# Altium PCB Mataric.PcbDoc (continued)
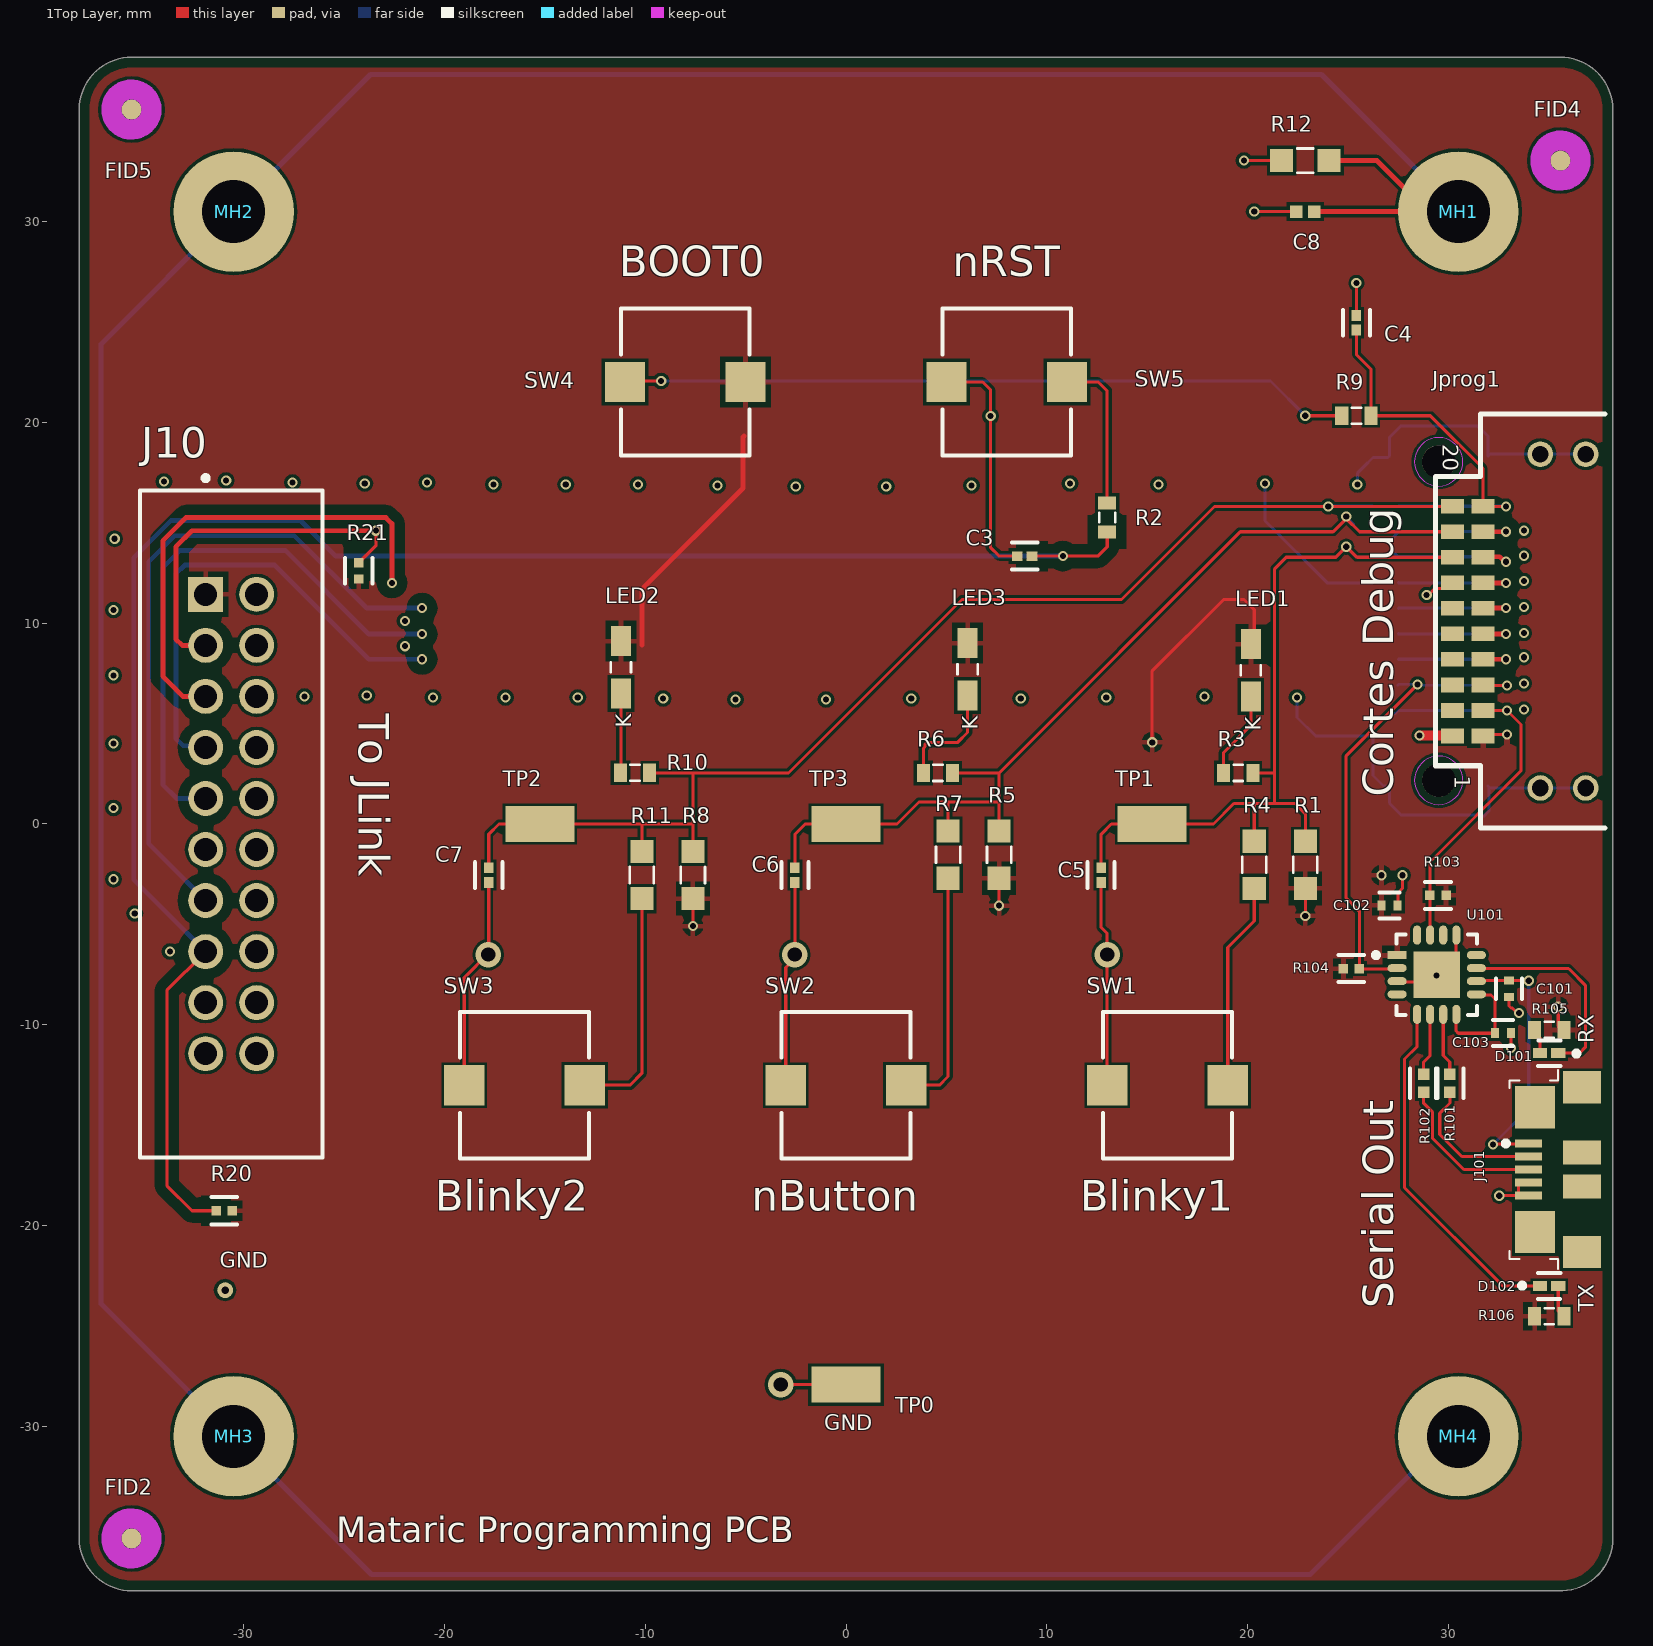
[diagram p0: 1Top Layer view]
## Components (designator, comment, footprint, x,y, rotation, side; value= is the part's Value field where it differs from the comment)
C3 "C1005X7R1H104K050BB" FP-C1005-050-0_05-IPC_C 8.89,13.335 r180 top
C4 "C1005X7R1H104K050BB" FP-C1005-050-0_05-IPC_C 25.4,24.95 r90 top
C5 "C1005X7R1H104K050BB" FP-C1005-050-0_05-IPC_C 12.7,-2.54 r270 top
C6 "C1005X7R1H104K050BB" FP-C1005-050-0_05-IPC_C -2.54,-2.54 r270 top
C7 "C1005X7R1H104K050BB" FP-C1005-050-0_05-IPC_C -17.78,-2.54 r270 top
C8 "__Template_Cap_Auto" C0402 22.86,30.48 r180 top value=0.1UF
C101 "GRM155R70J105KA12D" FP-GRM155-0_05-MFG 33,-8.2 r90 top
C102 "GRM155R70J105KA12D" FP-GRM155-0_05-MFG 27.05,-4.05 r180 top
C103 "GRM155R70J105KA12D" FP-GRM155-0_05-MFG 32.7,-10.4 r180 top
D101 "APHHS1005CGCK" FP-APHHS1005CGCK-MFG 35,-11.4 r180 top
D102 "APHHS1005CGCK" FP-APHHS1005CGCK-MFG 35,-23 r0 top
FID1 "FIDUCIAL" FIDUCIAL_1MM 35.56,33.02 r180 bottom
FID2 "FIDUCIAL" FIDUCIAL_1MM -35.56,-35.56 r90 top
FID3 "FIDUCIAL" FIDUCIAL_1MM -35.56,-35.56 r90 bottom
FID4 "FIDUCIAL" FIDUCIAL_1MM 35.56,33.02 r90 top
FID5 "FIDUCIAL" FIDUCIAL_1MM -35.56,35.56 r90 top
FID6 "FIDUCIAL" FIDUCIAL_1MM -35.56,35.56 r90 bottom
GND "TEST_VIA_NOSILK" TP_VIA_31pad_15drill_NS -30.9,-23.2 r90 top
J10 "70246-2004" FP-70246-2004-MFG -30.6,0 r270 top
J101 "ZX62R-B-5P(30)" HIRO-ZX62R-B-5P_V 35.3,-17.2 r90 top
Jprog1 "" SAMTEC_TFM-110-02-L-DH 34.3,10.1 r270 top
Jprog2 "M55-7102042R" CON_M55-7102042R 31.5,10.1 r270 bottom
LED1 "__Template_LED_RED_AK" LED_APA2106CGCK 20.15,7.65 r90 top value=APA2107LSECK/J3-PRV
LED2 "__Template_LED_YELLOW_AK" LED_APA2106CGCK -11.2,7.8 r90 top value=APA2107LSYCK/J3-PRV
LED3 "__Template_LED_BLUE_AK" LED_APA2106CGCK 6.05,7.7 r90 top value=XZCFBB74W-3VU
MH1 "MH" MH_1.6MM 30.48,30.48 r0 top
MH2 "MH" MH_1.6MM -30.48,30.48 r0 top
MH3 "MH" MH_1.6MM -30.48,-30.48 r0 top
MH4 "MH" MH_1.6MM 30.48,-30.48 r0 top
R1 "" R0805 22.86,-2.032 r270 top value=10K
R2 "" R0603 13,15.25 r90 top value=300
R3 "" R0603 19.521,2.54 r180 top value=300
R4 "" R0805 20.32,-2.032 r90 top value=22
R5 "" R0805 7.62,-1.524 r270 top value=10K
R6 "" R0603 4.572,2.54 r180 top value=300
R7 "" R0805 5.08,-1.524 r90 top value=22
R8 "" R0805 -7.62,-2.54 r270 top value=10K
R9 "" R0603 25.4,20.32 r180 top value=300
R10 "" R0603 -10.5,2.55 r180 top value=300
R11 "" R0805 -10.16,-2.54 r90 top value=22
R12 "" R0805 22.86,33.02 r0 top value=10K
R20 "ERJ-2RKF1003X" FP-ERJ2RK-IPC_C -30.95,-19.25 r0 top
R21 "ERJ-2RKF1003X" FP-ERJ2RK-IPC_C -24.25,12.598 r90 top
R101 "ERJ-2RKF27R0X" FP-ERJ2R-IPC_B 30.05,-12.9 r90 top
R102 "ERJ-2RKF27R0X" FP-ERJ2R-IPC_B 28.75,-12.9 r90 top
R103 "ERJ-2RKF1003X" FP-ERJ2RK-IPC_C 29.464,-3.556 r0 top
R104 "ERJ-2RKF1003X" FP-ERJ2RK-IPC_C 25.15,-7.2 r180 top
R105 "" R0603 35,-10.25 r180 top value=300
R106 "" R0603 35,-24.5 r0 top value=300
SW1 "B3AL-1003P" FP-B3AL-1003P-MFG 16,-13 r0 top
SW2 "B3AL-1003P" FP-B3AL-1003P-MFG 0,-13 r0 top
SW3 "B3AL-1003P" FP-B3AL-1003P-MFG -16,-13 r0 top
SW4 "B3AL-1003P" FP-B3AL-1003P-MFG -8,22 r0 top
SW5 "B3AL-1003P" FP-B3AL-1003P-MFG 8,22 r0 top
TP0 "KEYSTONE5015_NOSILK" KEYSTONE_5015_NS#1 -0.08,-27.9 r0 top
TP1 "KEYSTONE5015_NOSILK" KEYSTONE_5015_NS#2 15.24,0 r0 top
TP2 "KEYSTONE5015_NOSILK" KEYSTONE_5015_NS#2 -15.24,0 r0 top
TP3 "KEYSTONE5015_NOSILK" KEYSTONE_5015_NS#2 0,0 r0 top
U101 "FT230XQ-R" FP-QFN-16-MFG 29.4,-7.5 r0 top

## Footprints (in the part's own frame and the unit in brackets; to place one, negate y for a bottom-side part, rotate by r counter-clockwise, add the part's x,y. Pads: shape width x height; smd on the part's side, far side on the other; paste and mask are expansions set on the pad)
C0402 [mm] "Chip Capacitor, 2-Leads, Body 1.0x0.5mm, IPC High Density"
  rect 0.62x0.62 smd mask+0.05: 1(-0.45,0) 2(0.45,0)
  body extent -0.53,-0.28 0.53,0.28, height 0.55
CON_M55-7102042R [mm] "M55-7102042R  [HARWIN], CREATED BY DN_AV - 02DEC22;CHECKED BY DN_QN - 07DEC22,decreased keepout to support layout by DN_MN-30OCT23"
  rect 0.8x0.8 smd mask+0.064: 1(5.715,4) 2(5.715,5.27) 3(4.445,4) 4(4.445,5.27) 5(3.175,4) 6(3.175,5.27) 7(1.905,4) 8(1.905,5.27) 9(0.635,4) 10(0.635,5.27) 11(-0.635,4) 12(-0.635,5.27) 13(-1.905,4) 14(-1.905,5.27) 15(-3.175,4) 16(-3.175,5.27) 17(-4.445,4) 18(-4.445,5.27) 19(-5.715,4) 20(-5.715,5.27)
  rect 1.2x2.7 smd mask+0.064: MH1(-8.21,4.45) MH2(-8.21,-0.45) MH3(8.21,4.45) MH4(8.21,-0.45)
  round 1.651 hole 1.651 unplated mask+0: ""(-7.925,2) ""(7.925,2)
  Keep-Out Layer region: -7.925,0.794 -8.387,0.885 -8.778,1.147 -9.04,1.538 -9.132,2 -9.132,2 -9.04,2.462 -8.778,2.853 -8.387,3.115 -7.925,3.207 -7.925,3.207 -7.463,3.115 -7.072,2.853 -6.81,2.462 -6.719,2 -6.719,2 -6.81,1.538 -7.072,1.147 -7.463,0.885 -7.925,0.794
  Keep-Out Layer region: 7.925,0.794 7.463,0.885 7.072,1.147 6.81,1.538 6.719,2 6.719,2 6.81,2.462 7.072,2.853 7.463,3.115 7.925,3.207 7.925,3.207 8.387,3.115 8.778,2.853 9.04,2.462 9.132,2 9.132,2 9.04,1.538 8.778,1.147 8.387,0.885 7.925,0.794
  silkscreen extent -7.73,-4.4 9.6,4.4, body extent -8.89,-4.4 8.89,5.6, height 4.2
FIDUCIAL_1MM [mm] "FIDUCIAL 1MM COPPER CIRCLE 3MM MASK PULLBACK"
  round 1 smd paste-1 mask+0.05: 1(0,0)
  1Top Layer keep-out circle w1: c0,0 r1
  Top Solder keep-out region: 0,-1.38 -0.528,-1.275 -0.976,-0.976 -1.275,-0.528 -1.38,0 -1.38,0 -1.275,0.528 -0.976,0.976 -0.528,1.275 0,1.38 0,1.38 0.528,1.275 0.976,0.976 1.275,0.528 1.38,0 1.38,0 1.275,-0.528 0.976,-0.976 0.528,-1.275 0,-1.38
FP-70246-2004-MFG [mm]
  rect 1.74x1.74 hole 1.14 paste-2539.97 mask+0: 1(-11.43,-1.27)
  round 1.74 hole 1.14 paste-2539.97 mask+0: 2(-11.43,1.27) 3(-8.89,-1.27) 4(-8.89,1.27) 5(-6.35,-1.27) 6(-6.35,1.27) 7(-3.81,-1.27) 8(-3.81,1.27) 9(-1.27,-1.27) 10(-1.27,1.27) 11(1.27,-1.27) 12(1.27,1.27) 13(3.81,-1.27) 14(3.81,1.27) 15(6.35,-1.27) 16(6.35,1.27) 17(8.89,-1.27) 18(8.89,1.27) 19(11.43,-1.27) 20(11.43,1.27)
  silkscreen extent -17.34,-4.54 16.61,4.54, body extent -16.71,-4.64 16.71,4.64, height 0.25
FP-APHHS1005CGCK-MFG [mm]
  rect 0.7x0.5 smd paste+0 mask+0: 1(-0.45,0) 2(0.45,0)
  silkscreen extent -1.48,-0.63 0.55,0.65, body extent -0.9,-0.4 0.9,0.4, height 0.25
FP-B3AL-1003P-MFG [mm]
  rect 2x2 smd paste+0 mask+0: 1(-3,0) 2(3,0)
  silkscreen extent -3.2,-3.65 3.2,3.65, body extent -4.1,-3.75 4.1,3.75, height 0.25
FP-C1005-050-0_05-IPC_C [mm]
  rect 0.539x0.472 smd paste+0 mask+0: 1(-0.367,0) 2(0.367,0)
  silkscreen extent -0.64,-0.67 0.64,0.67, body extent -0.74,-0.38 0.74,0.38, height 0.25
FP-ERJ2R-IPC_B [mm]
  rect 0.568x0.572 smd paste+0 mask+0: 1(-0.452,0) 2(0.452,0)
  silkscreen extent -0.74,-0.69 0.74,0.69, body extent -0.89,-0.44 0.89,0.44, height 0.25
FP-ERJ2RK-IPC_C [mm]
  rect 0.468x0.472 smd paste+0 mask+0: 1(-0.402,0) 2(0.402,0)
  silkscreen extent -0.64,-0.67 0.64,0.67, body extent -0.74,-0.38 0.74,0.38, height 0.25
FP-GRM155-0_05-MFG [mm]
  rect 0.4x0.5 smd paste+0 mask+0: 1(-0.4,0) 2(0.4,0)
  silkscreen extent -0.5,-0.65 0.5,0.65, body extent -0.7,-0.38 0.7,0.38, height 0.25
FP-QFN-16-MFG [mm]
  rect 0.95x0.4 smd paste+0 mask+0: 1(-1.975,0.975)
  rrect100% 0.95x0.4 smd paste+0 mask+0: 2(-1.975,0.325) 3(-1.975,-0.325) 4(-1.975,-0.975) 9(1.975,-0.975) 10(1.975,-0.325) 11(1.975,0.325) 12(1.975,0.975)
  rrect100% 0.4x0.95 smd paste+0 mask+0: 5(-0.975,-1.975) 6(-0.325,-1.975) 7(0.325,-1.975) 8(0.975,-1.975) 13(0.975,1.975) 14(0.325,1.975) 15(-0.325,1.975) 16(-0.975,1.975)
  rect 2.3x2.3 smd paste+0 mask+0: 17(0,0)
  silkscreen extent -3.15,-2 2,2, body extent -2.55,-2.55 2.55,2.55, height 0.25
HIRO-ZX62R-B-5P_V [mm] "USB Micro-B R/A Connector"
  rect 0.4x1.35 smd: 1(1.3,1.338) 2(0.65,1.338) 3(0,1.338) 4(-0.65,1.338) 5(-1.3,1.338)
  rect 2.1x2 smd: 6(-3.1,1.012) 11(3.1,1.012)
  rect 1.6x1.9 smd: 7(-4.1,-1.338) 10(4.1,-1.338)
  rect 1.2x1.9 smd: 8(-0.85,-1.338) 9(0.85,-1.338)
  silkscreen extent -4.95,-0.13 4.95,2.58, body extent -4.4,-3.95 4.4,1.78, height 2.71
KEYSTONE_5015_NS#1 [mm] "Test Point Loop; 2.67 mm L X 1.02 mm W X 1.52 mm H body"
  rect 3.43x1.78 smd mask+0.051: 1(0.08,0)
  body extent -1.33,-0.51 1.33,0.51, height 1.52
KEYSTONE_5015_NS#2 [mm] "Test Point Loop; 2.67 mm L X 1.02 mm W X 1.52 mm H body"
  rect 3.43x1.78 smd mask+0.051: 1(0,0)
  body extent -1.33,-0.51 1.33,0.51, height 1.52
LED_APA2106CGCK [mm]
  rect 1.5x1 smd mask+0.05: A(1.3,0) K(-1.3,0)
  silkscreen extent -0.25,-0.5 0.25,0.5, body extent -1.05,-0.5 1.05,0.5, height 0.6
MH_1.6MM [mm]
  round 6 hole 3.15 mask+0.05: 1(0,0)
R0603 [mm] "Chip Resistor, 2-Leads, Body 1.6x0.8mm, IPC High Density"
  rect 0.65x0.9 smd mask+0.05: 1(-0.725,0) 2(0.725,0)
  silkscreen extent -0.23,-0.4 0.23,0.4, body extent -0.8,-0.4 0.8,0.4, height 0.45
R0805 [mm] "Chip Resistor, 2-Leads, Body 2.0x1.3mm, IPC High Density"
  rect 1.15x1.15 smd mask+0.05: 1(-1.175,0) 2(1.175,0)
  silkscreen extent -0.4,-0.6 0.4,0.6, body extent -1,-0.62 1,0.63, height 0.6
SAMTEC_TFM-110-02-L-DH [mil]
  rect 29x45 smd mask+1.97: 1(225,-101.91) 2(225,-161.91) 3(175,-101.91) 4(175,-161.91) 5(125,-101.91) 6(125,-161.91) 7(75,-101.91) 8(75,-161.91) 9(25,-101.91) 10(25,-161.91) 11(-25,-101.91) 12(-25,-161.91) 13(-75,-101.91) 14(-75,-161.91) 15(-125,-101.91) 16(-125,-161.91) 17(-175,-101.91) 18(-175,-161.91) 19(-225,-101.91) 20(-225,-161.91)
  round 50 hole 33 mask+3: MH1(327,99.09) MH2(327,10.09) MH3(-327,99.09) MH4(-327,10.09)
  silkscreen extent -406,-195 406,137, body extent -385,-177 386,177, height 238
TP_VIA_31pad_15drill_NS [mil]
  round 31 hole 15 mask+1.97: 1(0,0)

## Part data
C3 C4 C5 C6 C7: library part CMP-2000-05393-2, "Multilayer Ceramic Capacitors 100nF ±10% 50V X7R SMD 0402", Capacitance=100nF, Case Code (Imperial)=0402, Case Code (Metric)=1005, Dielectric=X7R, Dielectric Material=Ceramic, Max Operating Temperature=125°C, Min Operating Temperature=-55°C, Package Quantity=1, Tolerance=10%, Voltage=50V, Case/Package=0402, Construction=Flat, Depth=0.5mm, Height=0.5mm, Lead Free="Lead Free", Length=1mm, Mount="Surface Mount", Packaging="Tape and Reel", Radiation Hardening=No, REACH SVHC="No SVHC", Resistor Type=Ceramic, RoHS Compliant=Yes, Series=C, Termination=SMD/SMT, Thickness=0.022inch, Voltage Rating=50V, Voltage Rating (DC)=50V, Weight=2.3E-05oz, Width=0.02inch
C8: library part 951, "CAP, CER, X7R, 0.1uF, 50V, 10%, 0402, AUTO GRADE", Dielectric=X7R, Package=0402, Tolerance=10%, Voltage=50V, COMMON=150-00281-00, ComponentLink1Description=Datasheet, EES=150-04463-00, Gecko=150-00281-00, Height="0.56mm T", ID=951, LOON=150-00281-00, MFG=TDK, MFG P/N=CGA2B3X7R1H104K050BB, PROXY="Use ID #1723", Status=Released, XPN=150-00281-00
C101 C102 C103: library part CMP-2008-04587-2, "Chip Multilayer Ceramic Capacitors for General Purpose, 0402, 1.0uF, X7R, 15%, 10%, 6.3V", Capacitance=1uF, Case Code (Imperial)=0402, Case Code (Metric)=1005, Dielectric=X7R, Max Operating Temperature=125°C, Min Operating Temperature=-55°C, Package Quantity=10000, Tolerance=10%, Voltage Rating=6.3V, Case/Package=0402, Depth=0.5mm, Height=0.5mm, Lead Free="Lead Free", Length=1mm, Material=Ceramic, Mount="Surface Mount", Packaging="Tape and Reel", Termination=SMD/SMT, Thickness=0.022inch, Voltage Rating (DC)=6.3V, Weight=0.000212oz, Width=0.5mm
D101 D102: library part CMP-44529-000044-1, "LED GREEN CLEAR CHIP SMD", Case Code (Imperial)=0402, Case Code (Metric)=1005, Color=Green, Forward Current=20mA, Forward Voltage=2.1V, Lens Color=Clear, Max Operating Temperature=85°C, Min Operating Temperature=-40°C, Package Quantity=2000, Case/Package=0402, Dominant Wavelength=570nm, Height=0.6mm, Illumination Color=Green, Lead Free="Lead Free", Length=1mm, Lens Style=Clear, Luminous Intensity=50mcd, Mount="Surface Mount", Number of LEDs=1, Number of Pins=2, Packaging="Tape and Reel", Test Current=20mA, Viewing Angle=120°, Wavelength=570nm, Width=0.5mm
FID1 FID2 FID3 FID4 FID5 FID6: library part 93, "FIDUCIAL 1MM COPPER CIRCLE 3MM MASK PULLBACK", ID=93, MFG="_PCB Feature", Status="In Development"
GND: library part 171, "TEST VIA, NO SILKSCREEN, 15 MIL DRILL, 31 MIL PAD", Category="Testpoint vias", ID=171, MFG="_PCB Feature", Status=Released
J10: library part CMP-04776-000337-1, "CONN HEADER VERT 20POS 2.54MM", Current Rating=2.5A, Flammability Rating="UL94 V-0", Max Operating Temperature=120°C, Max Voltage Rating (DC)=250V, Min Operating Temperature=-55°C, Package Quantity=720, Contact Material=Gold, Contact Plating=Gold, ELV=Compliant, Gender=Male, Glow Wire Compliant=Non-compliant, Mount="Through Hole", Number of Circuits=20, Number of Contacts=20, Number of Positions=20, Number of Rows=2, Orientation=Vertical, Packaging=Tray, Pitch=2.54mm, Radiation Hardening=No, Series=70246, Termination=Solder, Voltage Rating=250V, Voltage Rating (DC)=250V
J101: library part CMP-0031-00001-1, "Connector; USBMicro-B,Reverse type, SMT; 5 Position; Right Angle", OPERATING TEMPERATURE="-30 to 85 degC", ComponentLink1Description="Manufacturer URL", ComponentLink1URL=http://www.hirose.com/â€Ž, ComponentLink2Description=Datasheet, ComponentLink2URL=http://www.hirose.co.jp/cataloge_hp/e24200011.pdf, DatasheetVersion=08/2010, Mounting Technology="Surface Mount", PackageDescription="5-Pin USB Micro-B R/A Connector", PackageReference=ZX62R-B-5P, PartNumber=ZX62R-B-5P(30)
Jprog1: library part 1204, "CONN, HDR, SHRD, RA, 2x10, 1.27MM P, 6.02MM h, GOLD, TH", Current Rating=2.9A, OPERATING TEMPERATURE="-55°C ~ 125°C", Supplier Part Number 1=SAM14687TR-ND, Voltage, Rated=275VAC, ComponentLink1Description=Datasheet, ComponentLink1URL=http://suddendocs.samtec.com/prints/tfm-1xx-xx-x-dh-xx-mkt.pdf, Connector Type=Header, EES=210-04980-00, Gender=Header, Height=6.02mm, HelpURL=https://www.digikey.com/en/products/detail/samtec-inc/TFM-110-02-L-DH-TR/6694026, ID=1204, MFG="Samtec Inc", MFG P/N=TFM-110-02-L-DH-TR, Mounting Type="Surface Mount", Number of Positions=20, Number of Rows=2, Orientation="Right Angle", Pitch=1.27mm, RoHS Compliant=Yes, Row Spacing=1.27mm, Status=Released, Sub Assy Qty 2=0, Sub Assy Qty 3=0, Sub Assy Qty 4=0, Supplier 1=Digi-Key
Jprog2: library part 1204, "CONN HEADER SMD R/A 20POS 1.27MM", Supplier Part Number 1=952-3893-1-ND, ComponentLink1URL=https://www.digikey.com/en/products/detail/harwin-inc/M55-7102042R/8537613?s=N4IgTCBcDaILIFYEFoDsBGADGTAWMASiALoC%2BQA, MFG="Harwin Inc.", MFG P/N=M55-7102042R, Status=Released, Supplier 1=Digi-Key
LED1: library part 280, "LED, RED, 640NM, INDEPENDENT, CLEAR, RA, SMD-2", Color / Wavelength=625nm, Package="2-SMD, No Lead", Supplier Part Number 1=754-2094-1-ND, Category=Diode, ComponentLink1Description=Datasheet, ComponentLink1URL=http://www.kingbrightusa.com/images/catalog/SPEC/APA2107LSECK-J3-PRV.pdf, Diode Type=LED, EES=370-00593-00, Height=0.7mm, HelpURL=https://www.digikey.com/product-detail/en/kingbright/APA2107LSECK-J3-PRV/754-2094-1-ND/7319022, ID=280, MFG=Kingbright, MFG P/N=APA2107LSECK/J3-PRV, Mounting Type=SMD, RoHS Compliant=Yes, Status=Released, Supplier 1=Digi-Key
LED2: library part 279, "LED, YELLOW, 590NM, CLEAR, RA, SMD-2", Color / Wavelength=590nm, Package="2-SMD, No Lead", Supplier Part Number 1=754-1922-1-ND, Voltage – Forward (VF) (MAX) @ IF=1.85V, Category=Diode, ComponentLink1Description=Datasheet, ComponentLink1URL=http://www.kingbrightusa.com/images/catalog/SPEC/APA2107LSYCK-J3-PRV.pdf, Diode Type=LED, EES=370-00592-00, Height=0.7mm, HelpURL=https://www.digikey.com/product-detail/en/kingbright/APA2107LSYCK-J3-PRV/754-1922-1-ND/5177452, ID=279, MFG=Kingbright, MFG P/N=APA2107LSYCK/J3-PRV, Mounting Type=SMD, RoHS Compliant=Yes, Status=Released, Supplier 1=Digi-Key
LED3: library part 281, "LED, BLUE, 465NM, INDEPENDENT, CLEAR, RA, SMD-2", Color / Wavelength=470nm, Package="2-SMD, No Lead", Supplier Part Number 1=1497-XZCFBB74W-3VUCT-ND, Category=Diode, ComponentLink1Description=Datasheet, ComponentLink1URL=https://www.sunledusa.com/products/spec/XZCFBB74W-3VU.pdf, Diode Type=LED, EES=370-00594-00, Height=0.7mm, HelpURL=https://www.digikey.com/product-detail/en/sunled/XZCFBB74W-3VU/1497-XZCFBB74W-3VUCT-ND/10449786, ID=281, MFG=SunLED, MFG P/N=XZCFBB74W-3VU, Mounting Type=SMD, RoHS Compliant=Yes, Status=Released, Supplier 1=Digi-Key
MH1 MH2 MH3 MH4: library part 144, "MOUNTING HOLE, M1.6, 4.0mm PAD", ID=144, Status=Released
R1 R5 R8 R12: library part 4154, "RES, 10K, 1%, 1/8W, 0805", Package=0805, Power=1/8W, Supplier Part Number 1=311-10.0KCRCT-ND, Tolerance=1%, COMMON=470-07506-00, EES=470-17984-00, Gecko=470-17702-00, Height=0.60mm, ID=4154, LOON=470-07506-00, MFG=YAGEO, MFG P/N=RC0805FR-0710KL, PROXY=470-16861-00, Status=Released, Supplier 1=Digi-Key, XPN=XS-10018162
R2 R3 R6 R9 R10 R105 R106: library part 2806, "Resistor, 300 Ohms, 0603, 0.1W, ±1%", Package=0603, Power=1/10W, Supplier Part Number 1=311-300HRCT-ND, Tolerance=1%, COMMON=470-06251-00, EES=470-17796-00, Gecko=470-06251-00, Height=0.55mm, ID=2806, LOON=470-06251-00, MFG=YAGEO, MFG P/N=RC0603FR-07300RL, Status=Released, Supplier 1=Digi-Key, XPN=XS-10017062
R4 R7 R11: library part 1785, "Resistor, 22.0 Ohms, 0805, 0.125W, ±1%", Package=0805, Power=1/8W, Supplier Part Number 1=311-22.0CRCT-ND, Tolerance=1%, COMMON=470-05283-00, EES=470-17982-00, Gecko=470-05283-00, Height=0.60mm, ID=1785, LOON=470-05283-00, MFG=YAGEO, MFG P/N=RC0805FR-0722RL, Status=Released, Supplier 1=Digi-Key, XPN=XS-10016192
R20 R21 R103 R104: library part CMP-2002-00608-4, "RES SMD 100K OHM 1% 1/10W 0402", Case Code (Imperial)=0402, Case Code (Metric)=1005, Max Operating Temperature=155°C, Max Power Dissipation=100mW, Min Operating Temperature=-55°C, Package Quantity=1, Resistance=100kR, Temperature Coefficient=100ppm/°C, Tolerance=1%, Voltage Rating=50V, Case/Package=0402, Composition="Thick Film", Contact Plating=Tin, Depth=0.5mm, Features="Automotive AEC-Q200", Height=0.35mm, Lead Free="Lead Free", Length=1mm, Military Standard=Not, Mount="Surface Mount", Number of Pins=2, Number of Terminations=2, Packaging="Tape and Reel", Power Rating=100mW, Radiation Hardening=No, REACH SVHC="No SVHC", Termination=SMD/SMT, Voltage Rating (DC)=50V, Width=0.5mm
R101 R102: library part CMP-2002-00830-2, "RES SMD 27 OHM 1% 1/10W 0402", Case Code (Imperial)=0402, Case Code (Metric)=1005, Max Operating Temperature=155°C, Max Power Dissipation=100mW, Min Operating Temperature=-55°C, Package Quantity=1, Resistance=27R, Resistance Tolerance=1%, Resistor Type="Thick Film", Temperature Coefficient=100ppm/°C, Voltage Rating=50V, Case/Package=0402, Construction=Rectangular, Contact Plating=Tin, Depth=0.5mm, Features="Automotive AEC-Q200", Height=0.35mm, Lead Free="Lead Free", Length=1mm, Military Standard=Not, Mount="Surface Mount", Number of Pins=2, Number of Terminations=2, Packaging="Tape and Reel", Power Rating=100mW, Radiation Hardening=No, REACH SVHC="No SVHC", RoHS Compliant=Yes, Series=ERJ, Technology="THICK FILM", Termination=SMD/SMT, Tolerance=1%, Voltage Rating (DC)=50V, Weight=2.8E-05oz, Width=0.5mm
SW1 SW2 SW3 SW4 SW5: library part CMP-08834-000018-1, "SWITCH TACTILE SPST-NO 0.05A 16V", Actuator Color=White, Contact Current Rating=50mA, Contact Resistance=100mR, Max Operating Temperature=90°C, Max Voltage Rating (DC)=16V, Min Operating Temperature=-40°C, Operating Force=3.5N, Package Quantity=1, Contact Plating=Silver, Current Rating=50mA, Depth=6.6mm, Electrical Life=1000000Cycles, Illumination Type=Non-Illuminated, Length=6.9mm, Max Current Rating=50mA, Mechanical Life=1000000Cycles, Mount="Surface Mount", Orientation=Straight, Packaging="Tape and Reel", Radiation Hardening=No, RoHS Compliant=Yes, Series=B3AL, Switch Function=Off-Mom, Switch Travel=1.3mm, Termination=SMD/SMT, Throw Configuration=SPST, Voltage Rating (DC)=16V, Weight=0.18g
TP0 TP1 TP2 TP3: library part 176, "HW, TEST POINT, NO SILKSCREEN, PC MINIATURE, 0.25mm T, 1.52mm HEIGHT, SILVER PLATING, SMT", Supplier Part Number 1=36-5015CT-ND, Category="Test and Measurement", COMMON=250-00207-00, ComponentLink1Description=Datasheet, ComponentLink1URL=http://keyelco.com/userAssets/file/M65p55.pdf, EES=250-08552-00, EPIC=250-08204-00, Gecko=250-00207-00, Height=1.65mm, HelpURL=https://www.digikey.com/product-detail/en/keystone-electronics/5015/36-5015CT-ND/278886, ID=176, KOI=250-07313-00, LOON=250-00207-00, MFG="Keystone Electronics Corp.", MFG P/N=5015, Mounting Type=SMD, PROXY=250-04113-00, Status="In Development", Supplier 1=Digi-Key, XPN=XS-10008125
U101: library part CMP-0248-00010-3, "IC USB SERIAL BASIC UART 16QFN", Case/Package=QFN, Max Operating Temperature=85°C, Max Supply Voltage=5.5V, Min Operating Temperature=-40°C, Min Supply Voltage=2.97V, Operating Supply Current=8mA, Operating Supply Voltage=5V, Package Quantity=5000, Data Rate=12Mbps, Height=0.75mm, Interface=USB, Lead Free="Lead Free", Length=4mm, Mount="Surface Mount", Number of Channels=1, Number of Pins=16, Packaging="Tape and Reel", Weight=0.002014oz, Width=4mm

## Via types
v1: diameter 0.508, hole 0.305, 1Top Layer to 4Bottom Layer, 88 vias
v2: diameter 1.27, hole 0.711, 1Top Layer to 4Bottom Layer, 4 vias

## Nets (pads, with @x,y where several pads share a name; then routed paths per layer and width w, separated by ;. In a path a pad name is that pad's centre, name@x,y a point inside that pad or via, vN(x,y) a via of type N, cw(c..) or ccw(c..) an arc to the next point about the centre after c; other vN are vias at no path point)
3v3: C102.2 J10.1 Jprog1.1 Jprog2.1 LED1.A LED2.A LED3.A R1.2 R5.2 R8.2 R20.2 R21.1 R103.2 R104.2 R105.1 R106.1 SW4.2 U101.1 | length 31.4
  1Top Layer w0.152: v1(-7.62,-5.08) R8.2 ; v1(7.62,-4.064) R5.2 ; v1(15.24,4.064) 15.24,7.62 18.796,11.176 19.812,11.176 20.32,10.668 LED1.A@20.32,8.92 ; v1(22.86,-4.572) R1.2 ; Jprog1.1@31.711,4.445 31.716,4.45 v1(32.9,4.45) ; v1(35.45,-9.1) 35.45,-10.061 35.539,-10.15 R105.1@35.975,-10.15
  1Top Layer w0.254: -10.16,8.92 -10.16,11.684 -5.12,16.724 -5.12,19.264 -5.08,19.304
  other v1: 26.65,-2.55
+5: C101.2 J101.1 U101.10 | length 13.3
  1Top Layer w0.152: U101.10 31.4,-7.8 v1(33.983,-7.8) ; v1(32.2,-15.95) 32.225,-15.925 33.937,-15.925 J101.1
  4Bottom Layer w0.152: v1(32.2,-15.95) 33.983,-14.167 v1(33.983,-7.8)
Blinky1: C5.1 Jprog1.16 Jprog2.16 R1.1 R3.1 R4.2 TP1.1 | length 39.7
  1Top Layer w0.152: C5.1@12.7,-2.09 12.7,-0.508 13.208,0 TP1.1 18.288,0 19.304,1.016 20.32,1.016 ; R3.1 21.336,2.54 ; R4.2 20.32,1.016 ; R1.1 22.86,0.508 22.352,1.016 21.336,1.016 ; Jprog1.16 25.425,13.275 v1(24.9,13.8) 24.375,13.275 21.911,13.275 21.336,12.7 21.336,2.54 ; 20.32,1.016 21.336,1.016 ; 21.336,1.016 21.336,2.54
  4Bottom Layer w0.152: v1(24.9,13.8) 25.425,13.275 Jprog2.16
Blinky2: C7.1 Jprog1.20 Jprog2.20 R8.1 R10.1 R11.2 TP2.1 | length 64.6
  1Top Layer w0.152: C7.1@-17.78,-2.09 -17.78,-0.508 -17.272,0 TP2.1 -10.16,0 ; R11.2 -10.16,0 ; -9.435,2.54 -7.62,2.54 ; R8.1 -7.62,0 ; Jprog1.20@30.203,15.8 v1(24,15.8) 18.34,15.8 13.716,11.176 5.776,11.176 -2.86,2.54 -7.62,2.54 ; -10.16,0 -7.62,0 ; -7.62,0 -7.62,2.54
  4Bottom Layer w0.152: v1(24,15.8) 24.015,15.815 Jprog2.20
BOOT0: C4.1 Jprog1.19 Jprog2.19 R9.1 | length 19.5
  1Top Layer w0.152: C4.1@25.4,24.5 25.4,23.368 26.125,22.643 R9.1 29.083,20.32 31.7,17.703 31.7,15.823 31.723,15.8 v1(32.85,15.8)
  4Bottom Layer w0.152: Jprog2.19 32.835,15.815 v1(32.85,15.8)
C_JTRST: J10.3 Jprog1.17 Jprog2.17 R21.2 | length 81.6
  1Top Layer w0.157: R21.2 -24.248,13 -23.4,13.848 v1@-23.4,14.55
  1Top Layer w0.239: J10.3 -33.04,8.89 -33.35,9.2 -33.35,13.8 -32.55,14.6 v1(-23.4,14.6) ; Jprog1.17 31.716,14.55 v1(32.85,14.55)
  3Mixed w0.239: v1@-23.375,14.575 v1@32.825,14.575
  4Bottom Layer w0.157: v1(-23.4,14.6) v1@-23.375,14.575 ; Jprog2.17@27.205,14.25 Jprog2.17 ; Jprog2.17@27.5,14.55 v1(32.85,14.55) v1@32.825,14.575
C_nRST: C3.1 J10.15 Jprog1.15 Jprog2.15 R2.1 R20.1 | length 118
  1Top Layer w0.157: J10.15@-31.8,-6.4 -31.92,-6.4 -33.8,-8.28 -33.8,-18 -32.55,-19.25 R20.1 ; C3.1@9.34,13.335 v1(10.795,13.335) 12.535,13.335 13,13.8 R2.1
  1Top Layer w0.239: Jprog1.15@31.746,13.3 32.537,13.3 32.787,13.05 v1(32.85,13.05)
  3Mixed w0.239: v1(10.795,13.335) 11.08,13.05 v1(32.85,13.05)
  4Bottom Layer w0.157: Jprog2.15@27.275,13.5 Jprog2.15 ; Jprog2.15@27.5,13.3 32.505,13.3 32.755,13.05 v1(32.85,13.05)
  4Bottom Layer w0.239: J10.15 -35.45,-2.77 -35.45,13.25 -33.6,15.1 -27.165,15.1 ; -27.15,15.1 -25.385,13.335 v1(10.795,13.335) v1@10.813,13.317
C_TCK-SWCLK: J10.9 Jprog1.9 Jprog2.9 | length 88.6
  1Top Layer w0.239: Jprog1.9@31.726,9.45 v1(32.85,9.45)
  3Mixed w0.239: v1(-21.1,9.45) v1(32.85,9.45)
  4Bottom Layer w0.157: Jprog2.9 27.515,9.45 v1(32.85,9.45)
  4Bottom Layer w0.239: J10.9 -33.32,1.27 -34,1.95 -34,12.75 -33.135,13.615 -27.915,13.615 -23.75,9.45 v1@-21.15,9.45
C_TDI: J10.5 Jprog1.13 Jprog2.13 | length 86.2
  1Top Layer w0.239: J10.5 -33,6.35 -34,7.35 -34,14.1 -32.85,15.25 -22.9,15.25 -22.6,14.95 v1(-22.6,12) ; Jprog1.13@31.711,12.065 31.776,12 v1(32.85,12)
  3Mixed w0.239: v1(-22.6,12) v1(32.85,12)
  4Bottom Layer w0.157: Jprog2.13 27.505,12 v1(32.85,12)
C_TDO-SWO: J10.13 Jprog1.11 Jprog2.11 | length 94.1
  1Top Layer w0.239: Jprog1.11@31.711,10.795 31.756,10.75 v1(32.85,10.75)
  3Mixed w0.239: v1(-21.1,10.75) v1(32.85,10.75)
  4Bottom Layer w0.157: Jprog2.11 27.515,10.75 v1(32.85,10.75)
  4Bottom Layer w0.239: J10.13 -34.7,-0.98 -34.7,13.05 -33.4,14.35 -27.45,14.35 -23.85,10.75 v1(-21.1,10.75)
C_TMS-SWDIO: J10.7 Jprog1.7 Jprog2.7 | length 84.7
  1Top Layer w0.239: Jprog1.7@31.716,8.2 v1(32.85,8.2)
  3Mixed w0.239: v1(-21.1,8.2) v1(32.85,8.2)
  4Bottom Layer w0.157: J10.7@-31.954,3.894 J10.7 ; Jprog2.7 27.505,8.2 v1(32.85,8.2)
  4Bottom Layer w0.239: J10.7@-31.954,3.894 -32.994,3.894 -33.35,4.25 -33.35,12.45 -32.913,12.887 -28.437,12.887 -23.75,8.2 v1(-21.1,8.2)
C_VCP_RX: Jprog1.3 Jprog2.3 R103.1 U101.15 | length 20.2
  1Top Layer w0.152: U101.15@29.069,-5.559 29.069,-3.563 R103.1 29.062,-1.888 33.6,2.65 33.6,4.95 v1(32.9,5.65) 31.776,5.65 Jprog1.3@31.711,5.715
  4Bottom Layer w0.127: Jprog2.3@27.345,5.5 Jprog2.3 ; Jprog2.3@27.5,5.65 31.343,5.65
  4Bottom Layer w0.152: 31.343,5.65 v1(32.9,5.65)
C_VCP_TX: Jprog1.5 Jprog2.5 R104.1 U101.2 | length 24.5
  1Top Layer w0.152: U101.2@27.419,-7.209 25.55,-7.209 25.55,-4.341 24.892,-3.683 24.892,3.392 v1(28.45,6.95) ; Jprog1.5@31.711,6.985 31.796,6.9 v1(32.9,6.9)
  4Bottom Layer w0.127: Jprog2.5@27.45,6.9 27.5,6.95 v1(28.45,6.95) ; v1@28.45,6.9 31.493,6.9
  4Bottom Layer w0.152: 31.493,6.9 v1(32.9,6.9)
GND: C3.2 C4.2 C5.2 C6.2 C7.2 C8.2 C101.1 C102.1 C103.1 GND.1 J10.4 J10.6 J10.8 J10.10 J10.12 J10.14 J10.16 J10.18 J10.20 J101.4 J101.5 Jprog1.2 Jprog1.14 Jprog1.MH1 Jprog1.MH2 Jprog1.MH3 Jprog1.MH4 Jprog2.2 Jprog2.14 Jprog2.MH1 Jprog2.MH2 Jprog2.MH3 Jprog2.MH4 R12.1 SW1.1 SW2.1 SW3.1 SW5.1 TP0.1 U101.3 U101.13 U101.17 | length 115.9
  1Top Layer w0.152: SW3.1 -19,-7.65 v2@-17.8,-6.45 ; v2@-17.78,-6.45 C7.2@-17.78,-2.99 ; v2(-3.25,-27.9) -0.1,-27.9 TP0.1@-0.05,-27.95 ; SW2.1 -3,-7.145 -2.55,-6.695 v2(-2.55,-6.5) ; v2@-2.54,-6.45 C6.2@-2.54,-2.99 ; SW5.1 6.8,22 7.2,21.6 v1(7.2,20.3) 7.2,13.755 7.62,13.335 C3.2@8.44,13.335 ; C5.2 12.7,-5.15 13,-5.45 SW1.1 ; v1(19.812,33.02) R12.1 ; v1(20.32,30.48) C8.2 ; C4.2@25.4,25.4 v1(25.4,26.924) ; U101.3@27.419,-7.859 29.069,-7.859 v1(29.394,-7.534) 30.369,-6.559 U101.13@30.369,-5.559 ; C102.1@27.471,-3.938 27.471,-3.432 27.7,-3.203 v1(27.7,-2.55) ; v1(28.9,11.4) 28.993,11.4 29.306,11.713 29.895,11.713 Jprog1.14 ; v1(32.514,-18.5) J101.5@33.738,-18.5 ; C101.1 33,-9.054 33.108,-9.162 33.166,-9.162 33.404,-9.4 v1(33.5,-9.4) v1@33.568,-9.332 ; C103.1@33.083,-10.458 33.1,-10.475 v1(33.1,-11.15) ; J101.5 J101.5@33.738,-18.5 ; J101.4 33.6,-17.85 33.476,-17.974 33.476,-18.376 33.6,-18.5 J101.5@33.738,-18.5
  1Top Layer w0.5: v1(28.55,4.4) Jprog1.2@30.004,4.4
  3Mixed w0.127: -19.2,4.1 -17.73,5.57 -17.624,5.57 -17.55,5.496 -17.55,0.4 -17.6,0.35
  4Bottom Layer w0.152: v1(20.85,16.95) 20.85,15.1 23.945,12.005 Jprog2.14 ; v1(22.45,6.3) 22.45,5.3 23.365,4.385 Jprog2.2 26.23,2.414 26.754,1.89 Jprog2.MH3 27.05,1.036 27.636,0.45 31.5,0.45 31.587,0.363 31.71,0.363 32,0.653 32,1.84 Jprog2.MH4 32.046,1.794 Jprog1.MH1 ; v1(25.45,16.9) 25.45,17.45 25.776,17.776 25.776,17.786 26.229,18.239 26.979,18.239 Jprog2.MH1 27.05,19.25 27.6,19.8 31.45,19.8 31.95,19.3 Jprog2.MH2 32.046,18.406 Jprog1.MH3
  other v1: -33.65,-6.35 -35.4,-4.45 -36.45,-2.75 -36.45,0.8 -36.45,4 33.75,5.7 -5.5,6.2 -1,6.2 -9.1,6.25 3.25,6.25 8.7,6.25 -20.55,6.3 -16.95,6.3 -13.35,6.3 12.95,6.3 -26.95,6.35 17.85,6.35 -23.85,6.4 33.75,7 -36.45,7.4 33.75,8.3 -21.95,8.85 33.75,9.5 -21.95,10.1 -36.45,10.65 33.75,10.8 33.75,12.1 33.75,13.35 -36.4,14.2 33.75,14.6 -2.5,16.8 2,16.8 -6.4,16.85 6.25,16.85 -17.55,16.9 -13.95,16.9 -10.35,16.9 15.55,16.9 -23.95,16.95 11.15,16.95 -27.55,17 -20.85,17 -33.95,17.05 -30.85,17.1
  other v2: -17.8,-6.5 13,-6.5
nButton: C6.1 Jprog1.18 Jprog2.18 R5.1 R6.1 R7.2 TP3.1 | length 48.9
  1Top Layer w0.152: C6.1@-2.54,-2.09 -2.54,-0.508 -2.032,0 TP3.1 2.54,0 3.635,1.095 5.08,1.095 ; R7.2 5.08,1.095 ; R6.1 7.62,2.54 ; R5.1 7.62,1.095 ; v1(24.9,15.3) v1@24.9,15.2 ; Jprog1.18 25.555,14.545 v1@24.9,15.2 ; 5.08,1.095 7.62,1.095 ; 7.62,1.095 7.62,2.54 ; 7.62,2.54 19.625,14.545 24.245,14.545 v1@24.9,15.2
  4Bottom Layer w0.152: v1(24.9,15.3) 24.9,15.272 25.245,14.927 25.245,14.855 25.555,14.545 Jprog2.18
NetC8_1: C8.1 MH1.1 MH2.1 MH3.1 MH4.1 R12.2 | length 213.9
  1Top Layer w0.254: C8.1 MH1.1@28.956,30.48 ; R12.2 26.416,33.02 MH1.1@28.956,30.48 ; MH1.1@30.48,30.988 29.972,30.48 MH1.1@28.956,30.48
  4Bottom Layer w0.254: MH3.1@-32.004,-29.972 -30.988,-29.972 MH3.1 -23.61,-37.35 23.102,-37.35 29.972,-30.48 MH4.1 ; MH3.1@-30.988,-29.464 -31.496,-29.464 -37.084,-23.876 -37.084,23.876 MH2.1 -23.66,37.3 23.66,37.3 MH1.1
NetC103_2: C103.2 U101.8 U101.9 | length 5.3
  1Top Layer w0.152: U101.8@30.369,-9.509 30.369,-10.303 30.48,-10.414 C103.2@32.112,-10.414 ; U101.9@31.369,-8.509 32.102,-8.509 32.3,-8.707 C103.2
NetD101_1: D101.1 U101.11 | length 10.3
  1Top Layer w0.152: U101.11 31.39,-7.19 35.962,-7.19 36.007,-7.235 36.8,-8.028 36.8,-11.117 36.517,-11.4 D101.1@35.47,-11.4
NetD101_2: D101.2 R105.2 | length 1.3
  1Top Layer w0.152: R105.2 34.275,-10.375 34.55,-10.65 D101.2
NetD102_1: D102.1 U101.5 | length 17.8
  1Top Layer w0.152: U101.5 28.425,-11.075 27.8,-11.7 27.8,-18.1 32.687,-22.987 D102.1@34.729,-22.987
NetD102_2: D102.2 R106.2 | length 1.6
  1Top Layer w0.152: D102.2 35.45,-24.225 R106.2
NetJ101_2: J101.2 R101.1 | length 7.1
  1Top Layer w0.152: R101.1@30.061,-13.441 30.061,-13.889 29.55,-14.4 29.55,-15.45 30.65,-16.55 J101.2
NetJ101_3: J101.3 R102.1 | length 7.9
  1Top Layer w0.152: R102.1 28.75,-13.9 29.2,-14.35 29.2,-15.65 30.75,-17.2 J101.3
NetLED1_K: LED1.K R3.2 | length 4.4
  1Top Layer w0.152: R3.2 18.796,3.556 20.15,4.91 LED1.K
NetLED2_K: LED2.K R10.2 | length 3.9
  1Top Layer w0.152: LED2.K@-11.2,6.354 -11.2,2.672 R10.2@-11.06,2.532
NetLED3_K: LED3.K R6.2 | length 5.7
  1Top Layer w0.152: R6.2 3.847,3.761 3.936,3.85 3.936,3.975 4.026,4.064 5.564,4.064 6.05,4.55 LED3.K
NetR2_2: R2.2 SW5.2 | length 7.8
  1Top Layer w0.152: SW5.2 12.55,22 13,21.55 R2.2
NetR4_1: R4.1 SW1.2 | length 10.3
  1Top Layer w0.152: SW1.2 19,-6.15 20.32,-4.83 R4.1
NetR7_1: R7.1 SW2.2 | length 12.1
  1Top Layer w0.152: SW2.2 4.65,-13 5.08,-12.57 R7.1
NetR9_2: R9.2 SW4.1 | length 36.8
  1Top Layer w0.152: SW4.1@-10.7,22.3 SW4.1 -10.95,22.05 v1(-9.2,22.05) ; v1(22.86,20.32) R9.2
  4Bottom Layer w0.152: v1(-9.2,22.05) 21.13,22.05 v1(22.86,20.32)
NetR11_1: R11.1 SW3.2 | length 11.8
  1Top Layer w0.152: SW3.2 -10.75,-13 -10.16,-12.41 R11.1
NetR101_2: R101.2 U101.7 | length 3.1
  1Top Layer w0.152: U101.7 29.725,-11.525 30.05,-11.85 R101.2
NetR102_2: R102.2 U101.6 | length 3.1
  1Top Layer w0.152: R102.2 28.75,-11.85 29.075,-11.525 U101.6
pads on no net: FID1.1 FID2.1 FID3.1 FID4.1 FID5.1 FID6.1 J10.2 J10.11 J10.17 J10.19 J101.6 J101.7 J101.8 J101.9 J101.10 J101.11 Jprog1.4 Jprog1.6 Jprog1.8 Jprog1.10 Jprog1.12 Jprog2. Jprog2.4 Jprog2.6 Jprog2.8 Jprog2.10 Jprog2.12 U101.4 U101.12 U101.14 U101.16

## Polygon pours and split planes (outlines as drawn)
GND on 2Mixed "GND_L02_P000" (solid, pour order 0): -40.64,-40.64 40.64,-40.64 40.64,40.64 -40.64,40.64
GND on 3Mixed "GND_L03_P001" (solid, pour order 1): -40.64,-40.64 40.64,-40.64 40.64,40.64 -40.64,40.64
3v3 on 4Bottom Layer "3V3_L04_P003" (solid, remove dead copper, pour order 3): -40.64,-40.64 40.64,-40.64 40.64,40.64 -40.64,40.64
3v3 on 1Top Layer "3V3_L01_P002" (solid, remove dead copper, pour order 2): -40.64,-40.64 40.64,-40.64 40.64,40.64 -40.64,40.64

## Silkscreen, mask and mechanical layers (free items; w line width, h text height)
Top Overlay:
  text "BOOT0" at -11.296,27.254 h1.5
  text "nRST" at 5.304,27.254 h1.5
  text "To JLink" at -24.246,5.496 h1.52 r270
  text "Cortes Debug" at 27.238,1.354 h1.52 r90
  text "RX" at 37.222,-10.922 h0.76 r90
  text "Blinky2" at -20.446,-19.246 h1.5
  text "nButton" at -4.696,-19.246 h1.5
  text "Blinky1" at 11.654,-19.246 h1.5
  text "Serial Out" at 27.246,-24.096 h1.52 r90
  text "TX" at 37.222,-24.272 h0.76 r90
  text "GND" at -1.072,-30.172 h0.76
  text "Mataric Programming PCB" at -25.372,-35.749 h1.27
Bottom Overlay:
  lines w0.127: -20.32,5.08 10.16,5.08
  lines w0.178: -20.32,5.08 10.16,5.08 ; -20.32,5.08 10.16,17.78 ; -20.32,5.08 -20.32,17.78 ; -20.32,17.78 10.16,5.08 ; -20.32,17.78 10.16,17.78 ; 10.16,5.08 10.16,17.78
  text "Holberton Debug" at 24.688,21.096 h1.52 r90
(M3) Board Outline:
  lines w0.127: -38.1,-35.56 ccw(c-35.56,-35.56) -35.56,-38.1 35.64,-38.1 ; -38.1,-35.54 -38.1,35.56 cw(c-35.56,35.56) -35.56,38.1 35.54,38.101 ; 35.56,-38.1 ccw(c35.56,-35.56) 38.1,-35.56 38.1,35.49 ; 35.56,38.1 cw(c35.56,35.56) 38.1,35.56
(M4) FAB Notes:
  drawing of 300 lines, arcs and shapes, not listed
  text "Part extends to edge of PCB. No mousebites here." at 48.184,1.448 h0.76
  text "1. FABRICATE TO MEET IPC-2221, IPC-6011, AND IPC-6012 (LATEST REVISIONS) CLASS 2, EXCEPT WHERE OTHERWISE SPECIFIED. /  / 2B. IMPEDANCE OF TRACES CONTROLLED BY WIDTHS: 9.4MIL, 50 OHM MICROSTRIP SINGLE ENDED. /  / 3A. MATERIAL: COPPER CLAD LAMINATE AND PREPREG PER IPC-4101/126, IPC-4101/130, OR IPC-4101/131 (LATEST REVISION). 370HR MEETS THIS REQUIREMENT. PCB LAMINATE SHALL BE ROHS AND REACH COMPLIANT. /  / 4. COPPER WEIGHT: COPPER LAYERS SHALL MATCH STACKUP TABLE WITH COPPER THICKNESS PER IPC-4562 (LATEST REVISION). /  / 5. FINAL BOARD THICKNESS SHALL BE ±10% OF STACKUP TABLE, INCLUDING OUTER COPPER LAYERS. /  / 6A. THIEVING PATTERN SHALL NOT BE ADDED TO THE PCB UNLESS SPECIFICALLY APPROVED IN WRITING. /  / 7. ALL DIMENSIONS, INCLUDING HOLE SIZE DIMENSIONS, APPLY AFTER PLATING. /  / 8. FINAL CONDUCTOR WIDTH SHALL BE ±20% OF DATA. /  / 9. LAYER TO LAYER REGISTRATION SHALL BE WITHIN 0.15MM (0.005 IN) OF DATA. /  / 10. ALL HOLES SHALL BE LOCATED WITHIN ±0.003 INCHES OF SPECIFIED COORDINATES. /  / 11. PLATING SHALL BE ENIG PER IPC-4552 (LATEST REVISION). /  / 12. SOLDER MASK BOTH SIDES PER IPC-SM-840 (LATEST REVISION), CLASS T OR FT, COLOR GREEN. /  / 13. BOARDS SHALL BE ELECTRICALLY TESTED USING SUPPLIED IPC-D-356 NETLIST. /  / 14. SUPPLIER SHALL MARK STACKUP AND DATE CODE, SUPPLIER NAME AND/OR TRADEMARK, AND UL FLAMMABILITY RATING IN NON-CONDUCTIVE INDELIBLE INK (COLOR WHITE OR BLACK). SUPPLIER SHALL NOT ADD ANY TEXT OR MARKING IN COPPER. /  / 15. SILKSCREEN OVER SOLDER MASK SHALL BE COLOR WHITE. /  / 16. THE MATERIALS AND PROCESS USED TO FABRICATE THIS PART ARE TO BE CONSISTENT WITH THE DIRECTIVE 2011/65/EU RESTRICTION OF HAZARDOUS SUBSTANCES IN ELECTRICAL AND ELECTRONIC EQUIPMENT (ROHS).   THE FINISHED PART TO BE ACCOMPANIED BY A SIGNED CERTIFICATE OF COMPLIANCE TO DIRECTIVE 2011/65/EU. /  / 17 IF ANY REACH SVHC’S ARE UTILIZED IN THE MATERIALS AND/OR PROCESS USED TO FABRICATE THIS PART, THE WEIGHT OF THE SVHC’S MUST BE PROVIDED. /  / 18 A CONFLICT MINERALS REPORTING TEMPLATE (CMRT) MUST BE AVAILABLE UPON REQUEST AT A PART LEVEL FOR ALL SUPPLIED PARTS. /  / 19 HOMOGENEOUS SUBSTANCE INFORMATION TO ACCOMPANY THE FABRICATED PART PER IPC-1752 (LATEST REV) DATA STANDARDS." at 81.28,-10.16 h2.03
  text "Layer" at 105.217,-17.48 h0.76
  text "Name" at 110.423,-17.48 h0.76
  text "Material" at 122.231,-17.48 h0.76
  text "Thickness" at 133.15,-17.48 h0.76
  text "Constant" at 141.403,-17.48 h0.76
  text "Board Layer Stack" at 148.64,-17.48 h0.76
  text "Top Overlay" at 110.423,-19.004 h0.76
  text "Top Solder" at 110.423,-20.528 h0.76
  text "Solder Resist" at 122.231,-20.528 h0.76
  text "0.80mil" at 133.15,-20.528 h0.76
  text "3.5" at 141.403,-20.528 h0.76
  text "1" at 105.217,-22.052 h0.76
  text "1Top Layer" at 110.423,-22.052 h0.76
  text "1.35mil" at 133.15,-22.052 h0.76
  text "Prepreg1" at 110.423,-23.576 h0.76
  text "370HR" at 122.231,-23.576 h0.76
  text "4.71mil" at 133.15,-23.576 h0.76
  text "4.04" at 141.403,-23.576 h0.76
  text "2" at 105.217,-25.1 h0.76
  text "2Mixed" at 110.423,-25.1 h0.76
  text "1.35mil" at 133.15,-25.1 h0.76
  text "Core1" at 110.423,-26.624 h0.76
  text "370HR" at 122.231,-26.624 h0.76
  text "22.60mil" at 133.15,-26.624 h0.76
  text "4.04" at 141.403,-26.624 h0.76
  text "3" at 105.217,-28.148 h0.76
  text "3Mixed" at 110.423,-28.148 h0.76
  text "1.35mil" at 133.15,-28.148 h0.76
  text "Prepreg2" at 110.423,-29.672 h0.76
  text "370HR" at 122.231,-29.672 h0.76
  text "4.71mil" at 133.15,-29.672 h0.76
  text "4.04" at 141.403,-29.672 h0.76
  text "4" at 105.217,-31.196 h0.76
  text "4Bottom Layer" at 110.423,-31.196 h0.76
  text "1.35mil" at 133.15,-31.196 h0.76
  text "Bottom Solder" at 110.423,-32.72 h0.76
  text "Solder Resist" at 122.231,-32.72 h0.76
  text "0.80mil" at 133.15,-32.72 h0.76
  text "3.5" at 141.403,-32.72 h0.76
  text "Bottom Overlay" at 110.423,-34.244 h0.76
Drill Drawing:
  circle w0.127: c-40.344,68.273 r0.423
  lines w0.127: -41.526,59.658 41.154,59.658 ; -41.526,72.993 41.154,72.993 ; -34.53,57.753 -34.53,74.898 ; -27.039,57.753 -27.039,74.898 ; -12.565,57.753 -12.565,74.898 ; -6.141,57.753 -6.141,74.898 ; 3.179,57.753 3.179,74.898 ; 23.619,57.753 23.619,74.898 ; 31.11,57.753 31.11,74.898 ; -41.526,57.753 41.154,57.753 41.154,74.898 -41.526,74.898 -41.526,57.753 ; -40.767,60.23 -40.344,60.442 -39.92,60.23 -40.132,60.653 -39.92,61.077 -40.344,60.865 -40.767,61.077 -40.555,60.653 -40.767,60.23 ; -40.767,62.135 -40.767,62.347 -40.555,62.558 -40.767,62.77 -40.767,62.982 -40.555,62.982 -40.344,62.77 -40.132,62.982 -39.92,62.982 -39.92,62.77 -40.132,62.558 -39.92,62.347 -39.92,62.135 -40.132,62.135 -40.344,62.347 -40.555,62.135 -40.767,62.135 ; -40.767,64.887 -39.92,64.887 -40.344,64.04 -40.767,64.887 ; -40.767,66.157 -40.555,66.157 -40.555,65.945 -40.132,65.945 -40.132,66.157 -39.92,66.157 -39.92,66.58 -40.132,66.58 -40.132,66.792 -40.555,66.792 -40.555,66.58 -40.767,66.58 -40.767,66.157 ; -40.767,69.967 -40.555,69.967 -40.344,69.755 -40.132,69.967 -39.92,69.967 -40.132,70.178 -39.92,70.39 -40.132,70.39 -40.344,70.602 -40.555,70.39 -40.767,70.39 -40.555,70.178 -40.767,69.967 ; -40.767,71.66 -39.92,71.66 -39.92,72.507 -40.767,72.507 -40.767,71.66
  text "Symbol" at -40.383,73.565 h0.91
  text "Count" at -33.959,73.565 h0.91
  text "Hole Size" at -26.468,73.565 h0.91
  text "Plated" at -11.994,73.565 h0.91
  text "Hole Type" at -5.569,73.565 h0.91
  text "Drill Layer Pair" at 3.75,73.565 h0.91
  text "Via/Pad" at 24.191,73.565 h0.91
  text "Pad Shape" at 31.682,73.565 h0.91
  text "1" at -33.959,71.66 h0.76
  text "15.00mil (0.381mm)" at -26.468,71.66 h0.76
  text "PTH" at -11.994,71.66 h0.76
  text "Round" at -5.569,71.66 h0.76
  text "1Top Layer - 4Bottom Layer" at 3.75,71.66 h0.76
  text "Pad" at 24.191,71.66 h0.76
  text "Rounded" at 31.682,71.66 h0.76
  text "2" at -33.959,69.755 h0.76
  text "65.00mil (1.651mm)" at -26.468,69.755 h0.76
  text "NPTH" at -11.994,69.755 h0.76
  text "Round" at -5.569,69.755 h0.76
  text "1Top Layer - 4Bottom Layer" at 3.75,69.755 h0.76
  text "Pad" at 24.191,69.755 h0.76
  text "Rounded" at 31.682,69.755 h0.76
  text "4" at -33.959,67.85 h0.76
  text "28.00mil (0.711mm)" at -26.468,67.85 h0.76
  text "PTH" at -11.994,67.85 h0.76
  text "Round" at -5.569,67.85 h0.76
  text "1Top Layer - 4Bottom Layer" at 3.75,67.85 h0.76
  text "Via" at 24.191,67.85 h0.76
  text "Rounded" at 31.682,67.85 h0.76
  text "4" at -33.959,65.945 h0.76
  text "33.00mil (0.838mm)" at -26.468,65.945 h0.76
  text "PTH" at -11.994,65.945 h0.76
  text "Round" at -5.569,65.945 h0.76
  text "1Top Layer - 4Bottom Layer" at 3.75,65.945 h0.76
  text "Pad" at 24.191,65.945 h0.76
  text "Rounded" at 31.682,65.945 h0.76
  text "4" at -33.959,64.04 h0.76
  text "124.02mil (3.150mm)" at -26.468,64.04 h0.76
  text "PTH" at -11.994,64.04 h0.76
  text "Round" at -5.569,64.04 h0.76
  text "1Top Layer - 4Bottom Layer" at 3.75,64.04 h0.76
  text "Pad" at 24.191,64.04 h0.76
  text "Rounded" at 31.682,64.04 h0.76
  text "20" at -33.959,62.135 h0.76
  text "44.88mil (1.140mm)" at -26.468,62.135 h0.76
  text "PTH" at -11.994,62.135 h0.76
  text "Round" at -5.569,62.135 h0.76
  text "1Top Layer - 4Bottom Layer" at 3.75,62.135 h0.76
  text "Pad" at 24.191,62.135 h0.76
  text "(Mixed)" at 31.682,62.135 h0.76
  text "88" at -33.959,60.23 h0.76
  text "12.00mil (0.305mm)" at -26.468,60.23 h0.76
  text "PTH" at -11.994,60.23 h0.76
  text "Round" at -5.569,60.23 h0.76
  text "1Top Layer - 4Bottom Layer" at 3.75,60.23 h0.76
  text "Via" at 24.191,60.23 h0.76
  text "Rounded" at 31.682,60.23 h0.76
  text "123 Total" at -33.959,58.325 h0.76

## Dimensions
-35.56,-38.1 to -35.56,38.1 on (M3) Board Outline
-38.1,35.56 to 38.1,35.56 on (M3) Board Outline

## Text inside footprints (layer, text, board x,y; h text height)
J101: (M1) Top Assembly "Board edge" at 37.967,-11.612 h0.2 r90
Jprog1: Top Overlay "20" at 29.7,18.9 h0.76 r270; Top Overlay "1" at 30.3,2.4 h0.76 r270; (M1) Top Assembly "20" at 29.7,18.7 h0.76 r270; (M1) Top Assembly "1" at 30.842,2.923 h0.76 r270
Jprog2: Bottom Overlay "2" at 25.567,3.799 h0.79; Bottom Overlay "20" at 26.075,16.626 h0.79; Bottom Overlay "19" at 29.25,18.912 h0.79
LED1: Top Overlay "K" at 20.65,4.65 h0.76 r90; (M1) Top Assembly "K" at 20.65,4.65 h0.76 r90
LED2: Top Overlay "K" at -10.7,4.8 h0.76 r90; (M1) Top Assembly "K" at -10.7,4.8 h0.76 r90
LED3: Top Overlay "K" at 6.55,4.7 h0.76 r90; (M1) Top Assembly "K" at 6.55,4.7 h0.76 r90